# KiCad board fuyu.kicad_pcb (continued)
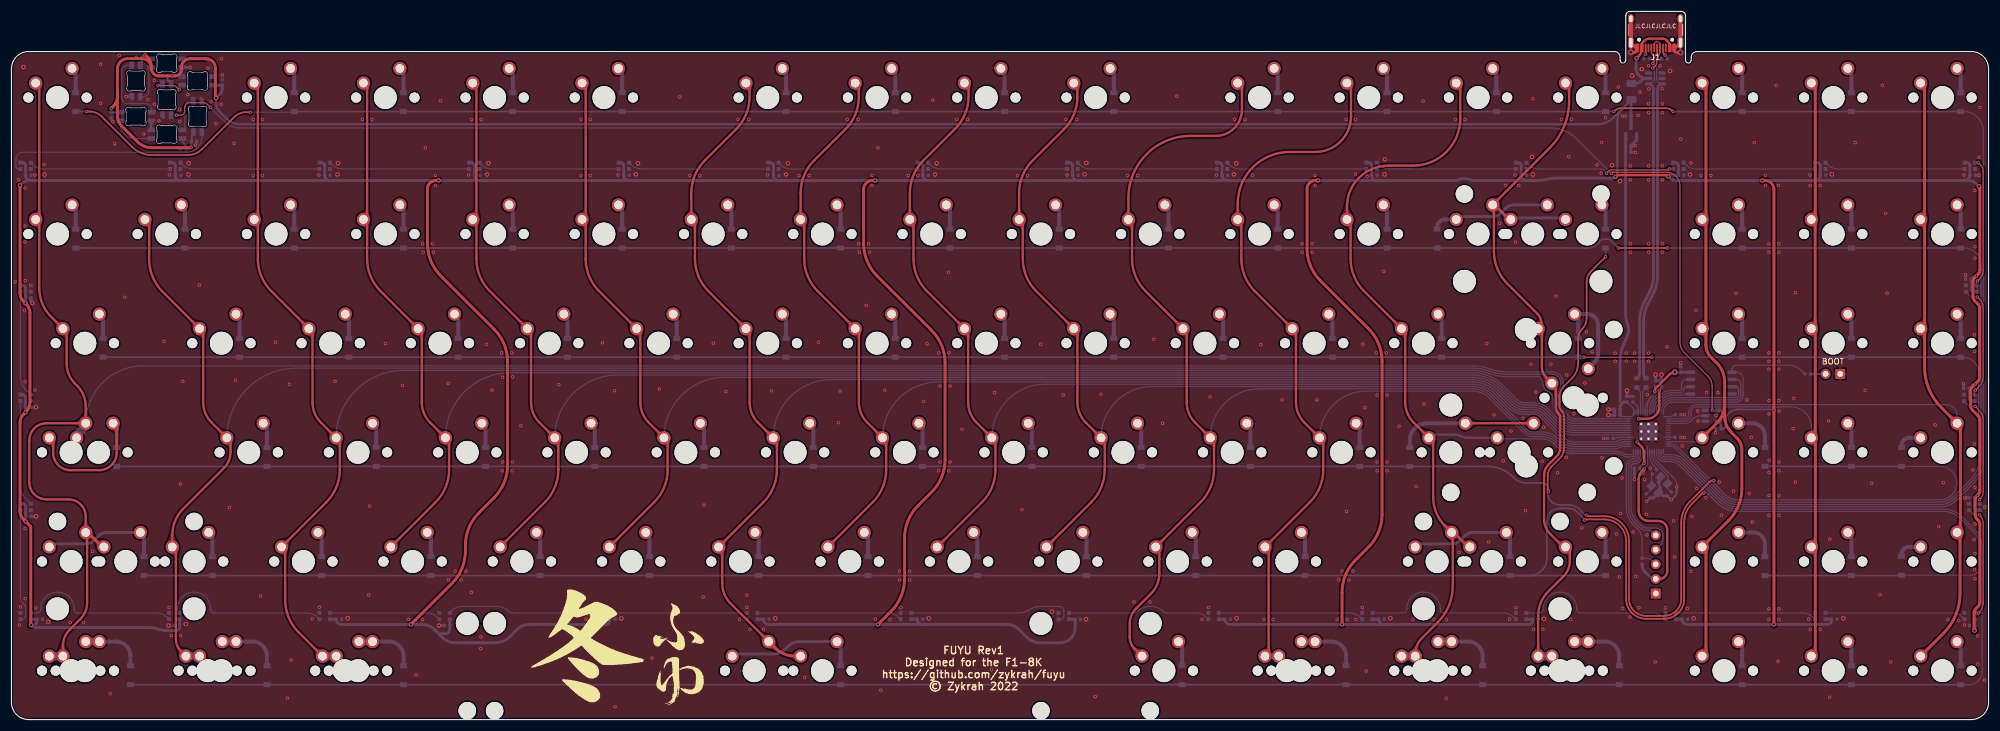
[diagram p0: board, top side]
## Routing (per net, layer and track width the routed paths; a pad name or vN(x,y) marks a point on that pad's centre or on a via; arc(x,y) is an arc through that point) (continued)
Net-(D56-Pad2): length 4.5
  Bottom w0.7: D56.2 101.69,51.07 SW59.2
Net-(D57-Pad2): length 4.5
  Bottom w0.7: SW60.2 120.74,51.07 D57.2
Net-(D58-Pad2): length 4.5
  Bottom w0.7: D58.2 139.79,51.07 SW61.2
Net-(D59-Pad2): length 4.5
  Bottom w0.7: SW62.2 158.84,51.07 D59.2
Net-(D60-Pad2): length 4.5
  Bottom w0.7: SW63.2 177.89,51.07 D60.2
Net-(D61-Pad2): length 4.5
  Bottom w0.7: SW64.2 196.94,51.07 D61.2
Net-(D62-Pad2): length 4.5
  Bottom w0.7: D62.2 215.99,51.07 SW65.2
Net-(D63-Pad2): length 4.5
  Bottom w0.7: D63.2 235.04,51.07 SW66.2
Net-(D64-Pad2): length 24.5
  Top w0.4: SW67.2 SW68.2
  Bottom w0.7: D64.2 243.77,48.7 arc(244.65,50.83) 246.77,51.7 SW67.2
Net-(D65-Pad2): length 7.9
  Bottom w0.7: D65.2 305.68,49.53 arc(305.04,51.07) 303.5,51.7 SW69.2
Net-(D66-Pad2): length 4.5
  Bottom w0.7: D66.2 320.76,51.07 SW70.2
Net-(D67-Pad2): length 4.4
  Bottom w0.7: D67.2 329.49,47.81 arc(329.89,48.77) 330.85,49.17 SW71.1
Net-(D68-Pad2): length 21.2
  Bottom w0.5: SW72.1 7.14,30.66 12.95,30.66 arc(13.72,30.81) 14.37,31.24 15.19,32.07 arc(15.84,32.5) 16.61,32.66 SW73.2
  Bottom w0.7: D68.2 23.11,32.02 SW73.2
Net-(D69-Pad2): length 4.5
  Bottom w0.7: D69.2 35.01,32.02 SW74.2
Net-(D70-Pad2): length 4.5
  Bottom w0.7: D70.2 54.06,32.02 SW75.2
Net-(D71-Pad2): length 4.5
  Bottom w0.7: SW76.2 73.11,32.02 D71.2
Net-(D72-Pad2): length 4.5
  Bottom w0.7: SW77.2 92.16,32.02 D72.2
Net-(D73-Pad2): length 4.5
  Bottom w0.7: D73.2 111.21,32.02 SW78.2
Net-(D74-Pad2): length 4.5
  Bottom w0.7: SW79.2 130.26,32.02 D74.2
Net-(D75-Pad2): length 4.5
  Bottom w0.7: SW80.2 149.31,32.02 D75.2
Net-(D76-Pad2): length 4.5
  Bottom w0.7: SW81.2 168.36,32.02 D76.2
Net-(D77-Pad2): length 4.5
  Bottom w0.7: SW82.2 187.41,32.02 D77.2
Net-(D78-Pad2): length 4.5
  Bottom w0.7: D78.2 206.46,32.02 SW83.2
Net-(D79-Pad2): length 4.5
  Bottom w0.7: SW84.2 225.51,32.02 D79.2
Net-(D80-Pad2): length 21.2
  Bottom w0.5: SW85.1 245.25,30.65 251.12,30.65 arc(251.89,30.8) 252.54,31.23 253.37,32.07 arc(254.02,32.5) 254.79,32.66 SW86.2
  Bottom w0.7: D80.2 261.23,32.02 SW86.2
Net-(D81-Pad2): length 4.5
  Bottom w0.7: D81.2 277.9,32.02 SW87.2
Net-(D82-Pad2): length 8
  Bottom w0.7: D82.2 305.68,30.64 arc(305.09,32.06) 303.67,32.66 SW88.2
Net-(D83-Pad2): length 4.5
  Bottom w0.7: SW89.2 320.76,32.02 D83.2
Net-(D84-Pad2): length 4.4
  Bottom w0.7: SW90.1 330.74,30.12 arc(329.86,29.75) 329.49,28.87 D84.2
Net-(D85-Pad2): length 10.9
  Bottom w0.7: D85.2 20.73,11.1 arc(19.99,12.87) 18.23,13.6 15.33,13.6
  Bottom w1.5: 15.33,13.6 12.95,13.6
Net-(D86-Pad2): length 10.9
  Bottom w0.7: 39.14,13.6 42.04,13.6 arc(43.81,12.87) 44.54,11.1 D86.2
  Bottom w1.5: 39.14,13.6 36.76,13.6
Net-(D87-Pad2): length 10.9
  Bottom w0.7: D87.2 68.35,11.1 arc(67.62,12.87) 65.85,13.6 62.95,13.6
  Bottom w1.5: 60.57,13.6 62.95,13.6
Net-(D88-Pad2): length 23.5
  Bottom w0.5: SW97.1 126.03,11.44 132.81,11.44 arc(133.96,11.67) 134.93,12.32 135.34,12.73 arc(136.31,13.38) 137.46,13.6 143.92,13.6
  Bottom w0.7: D88.2 144.55,12.97 143.92,13.6
Net-(D89-Pad2): length 4.5
  Bottom w0.7: D89.2 204.08,12.97 203.45,13.6
Net-(D90-Pad2): length 10.9
  Bottom w0.7: 227.26,13.6 230.16,13.6 arc(231.92,12.87) 232.66,11.1 D90.2
  Bottom w1: 224.88,13.6 227.26,13.6
Net-(D91-Pad2): length 10.9
  Bottom w0.7: 251.07,13.6 253.97,13.6 arc(255.74,12.87) 256.47,11.1 D91.2
  Bottom w1.5: 248.69,13.6 251.07,13.6
Net-(D92-Pad2): length 10.9
  Bottom w0.7: 274.88,13.6 277.78,13.6 arc(279.55,12.87) 280.28,11.1 D92.2
  Bottom w1.5: 272.5,13.6 274.88,13.6
Net-(D93-Pad2): length 4.5
  Bottom w0.7: 301.08,13.6 301.71,12.97 D93.2
Net-(D94-Pad2): length 4.5
  Bottom w0.7: D94.2 320.76,12.97 320.13,13.6
Net-(D95-Pad2): length 4.5
  Bottom w0.7: D95.2 339.81,12.97 339.18,13.6
Net-(D100-Pad1): length 24.6
  Bottom w0.2: D100.1 3.75,96.81 arc(4.56,96.27) 5.52,96.08 D101.3
Net-(D101-Pad1): length 24.6
  Bottom w0.2: D102.3 31.59,96.08 arc(30.63,96.27) 29.82,96.81 D101.1
Net-(D102-Pad1): length 24.6
  Bottom w0.2: D102.1 55.89,96.81 arc(56.71,96.27) 57.66,96.08 D103.3
Net-(D103-Pad1): length 24.6
  Bottom w0.2: D104.3 83.73,96.08 arc(82.78,96.27) 81.97,96.81 D103.1
Net-(D104-Pad1): length 24.6
  Bottom w0.2: D104.1 108.04,96.81 arc(108.85,96.27) 109.81,96.08 D105.3
Net-(D105-Pad1): length 24.6
  Bottom w0.2: D105.1 134.11,96.81 arc(134.92,96.27) 135.88,96.08 D106.3
Net-(D106-Pad1): length 24.6
  Bottom w0.2: D106.1 160.18,96.81 arc(160.99,96.27) 161.95,96.08 D107.3
Net-(D107-Pad1): length 24.6
  Bottom w0.2: D108.3 188.02,96.08 arc(187.06,96.27) 186.25,96.81 D107.1
Net-(D108-Pad1): length 24.6
  Bottom w0.2: D108.1 212.32,96.81 arc(213.14,96.27) 214.09,96.08 D109.3
Net-(D109-Pad1): length 24.6
  Bottom w0.2: D109.1 238.4,96.81 arc(239.21,96.27) 240.16,96.08 D110.3
Net-(D110-Pad1): length 26.6
  Top w0.2: v1(289.02,96.08) 288.86,95.92 278.89,95.92 arc(278.68,95.88) 278.51,95.76 v1(278.06,95.31)
  Bottom w0.2: v1(278.06,95.31) 278.06,95.49 277.77,95.78 arc(277.44,95.99) 277.06,96.07 266.25,96.07 arc(265.29,96.26) 264.48,96.8 D110.1 ; D111.3 289.02,96.08 v1(289.02,96.08)
Net-(D111-Pad1): length 23.2
  Bottom w0.2: D112.3 293.65,96.08 arc(292.69,96.27) 291.88,96.81 D111.1
Net-(D112-Pad1): length 24.6
  Bottom w0.2: D112.1 316.61,96.81 arc(317.42,96.27) 318.38,96.08 D113.3
Net-(D113-Pad1): length 22.7
  Top w0.2: v1(342.74,76.51) 343.07,76.84 arc(343.56,77.57) 343.73,78.42 343.73,95.65 arc(343.6,96.28) 343.25,96.81 v1(342.88,97.18)
  Bottom w0.2: D114.3 342.54,76.31 v1(342.74,76.51) ; D113.1 342.87,97.18 v1(342.88,97.18)
Net-(D114-Pad1): length 20.2
  Top w0.2: v1(342.35,57.45) 343.09,58.19 arc(343.56,58.9) 343.73,59.73 343.73,71.83 arc(343.56,72.64) 343.11,73.33 v1(342.73,73.71)
  Bottom w0.2: D115.3 342.2,57.31 v1(342.35,57.45) ; v1(342.73,73.71) 342.07,73.71 arc(341.69,73.78) 341.37,74 D114.1
Net-(D115-Pad1): length 20
  Top w0.2: v1(343.11,38.4) 343.25,38.54 arc(343.61,39.08) 343.74,39.71 343.74,52.3 arc(343.56,53.19) 343.05,53.95 v1(342.35,54.66)
  Bottom w0.2: D115.1 341.02,54.95 arc(341.35,54.73) 341.73,54.66 v1(342.35,54.66) ; v1(343.11,38.4) D116.3
Net-(D116-Pad1): length 20.3
  Top w0.2: v1(343.11,35.67) 343.18,35.59 arc(343.59,34.98) 343.74,34.25 343.74,20.39 arc(343.55,19.46) 343.03,18.68 v1(342.94,18.6)
  Bottom w0.2: D117.3 342.94,18.6 v1(342.94,18.6) ; D116.1 341.85,35.96 arc(342.18,35.74) 342.56,35.67 v1(343.11,35.67)
Net-(D117-Pad1): length 24.6
  Bottom w0.2: D117.1 340.12,17.87 arc(339.31,18.41) 338.35,18.6 D118.3
Net-(D118-Pad1): length 24.6
  Bottom w0.2: D119.3 312.28,18.6 arc(313.23,18.41) 314.05,17.87 D118.1
Net-(D119-Pad1): length 28.8
  Bottom w0.2: D120.3 266.34,18.6 arc(266.83,18.8) 267.04,19.3 267.04,19.34 arc(267.88,21.37) 269.92,22.22 270.03,22.22 arc(272.04,21.38) 272.88,19.37 272.88,19.25 arc(273.06,18.79) 273.52,18.6 286.21,18.6 arc(287.16,18.41) 287.97,17.87 D119.1
Net-(D120-Pad1): length 29.5
  Bottom w0.2: D121.3 242.56,18.6 arc(243.05,18.8) 243.25,19.28 243.25,19.32 arc(244.1,21.38) 246.17,22.24 arc(248.24,21.38) 249.1,19.31 249.1,19.21 arc(249.27,18.78) 249.7,18.6 260.13,18.6 arc(261.09,18.41) 261.9,17.87 D120.1
Net-(D121-Pad1): length 25.3
  Bottom w0.2: D122.3 233.32,18.6 arc(234.28,18.41) 235.09,17.87 D121.1
Net-(D122-Pad1): length 25.2
  Bottom w0.2: D123.3 195.62,18.6 arc(196.01,18.68) 196.33,18.89 arc(197.27,19.52) 198.37,19.74 198.68,19.74 arc(199.78,19.52) 200.72,18.89 arc(201.05,18.67) 201.43,18.6 206.51,18.6 arc(207.47,18.41) 208.28,17.87 D122.1
Net-(D123-Pad1): length 29.4
  Bottom w0.2: D124.3 175.59,18.6 arc(176.4,18.7) 177.16,19 177.68,19.29 arc(178.53,19.62) 179.44,19.74 182.68,19.74 arc(183.23,19.51) 183.45,18.96 183.45,18.03 arc(183.3,17.65) 182.93,17.5 D123.1
Net-(D124-Pad1): length 25.3
  Bottom w0.2: D124.1 154.65,17.87 arc(153.84,18.41) 152.88,18.6 D125.3
Net-(D125-Pad1): length 25.3
  Bottom w0.2: D126.3 126.07,18.6 arc(127.03,18.41) 127.84,17.87 D125.1
Net-(D126-Pad1): length 26
  Bottom w0.2: D126.1 101.02,17.88 arc(100.21,18.42) 99.25,18.61 87.36,18.61 arc(86.98,18.68) 86.65,18.9 arc(85.72,19.52) 84.63,19.74 78.41,19.74 arc(77.61,19.58) 76.94,19.13 D127.3
Net-(D127-Pad1): length 19.4
  Bottom w0.2: D128.3 72.44,18.6 arc(73.4,18.41) 74.21,17.87 D127.1
Net-(D128-Pad1): length 29.7
  Bottom w0.2: D129.3 29.24,18.65 arc(29.02,18.98) 28.95,19.36 arc(29.78,21.38) 31.8,22.22 31.87,22.22 arc(33.9,21.38) 34.73,19.36 34.73,19.15 arc(34.9,18.75) 35.3,18.58 51.58,18.58 arc(52.53,18.39) 53.34,17.85 D128.1
Net-(D129-Pad1): length 28.6
  Bottom w0.2: D130.3 4.44,18.6 arc(4.92,18.8) 5.12,19.28 5.12,19.31 arc(5.97,21.37) 8.03,22.23 arc(10.08,21.38) 10.94,19.33 10.94,19.25 arc(11.13,18.79) 11.59,18.6 25.32,18.6 arc(26.28,18.41) 27.09,17.87 D129.1
Net-(D130-Pad1): length 20
  Bottom w0.2: D130.1 1.89,17.5 arc(2.31,17.68) 2.48,18.1 2.48,19.42 arc(2.41,19.81) 2.19,20.13 1.85,20.48 arc(1.63,20.8) 1.55,21.18 D131.3
Net-(D131-Pad1): length 18.6
  Bottom w0.2: D131.1 2.43,38.6 arc(1.78,39.57) 1.55,40.72 D132.3
Net-(D132-Pad1): length 18.6
  Bottom w0.2: D133.3 1.55,59.63 arc(1.76,58.61) 2.33,57.75 D132.1
Net-(LED1-Pad2): length 5.8
  Top w0.2: v1(29.25,109.9) 28.8,110.34 arc(28.47,110.56) 28.09,110.64 v1(25.53,110.64)
  Bottom w0.2: v1(25.53,110.64) 25.63,110.74 arc(25.83,110.87) 26.06,110.91 LED1.2 ; v1(29.25,109.9) 29.25,109.96 arc(29.29,110.19) 29.42,110.39 LED2.3
Net-(LED2-Pad2): length 7.5
  Bottom w0.2: LED3.3 32.98,115.29 arc(34.53,114.65) 35.17,113.1 LED2.2
Net-(LED3-Pad2): length 6.3
  Bottom w0.2: LED4.3 22.96,108.71 arc(23.67,109.01) 23.96,109.71 23.96,113.4 LED3.2
Net-(LED4-Pad2): length 13.8
  Bottom w0.2: LED4.2 20.22,114.16 arc(19.52,113.87) 19.22,113.16 19.22,108.48 arc(19.52,107.77) 20.22,107.48 23.43,107.48 arc(24.14,107.18) 24.43,106.48 LED5.3
Net-(LED5-Pad2): length 7.4
  Bottom w0.2: LED5.2 18.98,103.92 arc(19.72,102.13) 21.51,101.39 LED6.3
Net-(LED6-Pad2): length 6.3
  Bottom w0.2: LED6.2 30.22,103.31 30.22,106.96 arc(30.52,107.67) 31.22,107.96 LED7.3

## Copper pours and planes (outline as drawn; the poured copper is in the pictures)
+1V1 on Bottom: 284.1,52.92 284.1,51.71 283.59,51.71 283.59,48.85 283.28,48.85 283.29,52.92
+3V3 on Top: 289.21,60.11 289.28,60.16 289.34,60.2 289.4,60.22 289.46,60.23 289.52,60.22 289.58,60.21 289.65,60.19 289.78,60.15 289.85,60.13 290.23,60.65 289.65,60.98 289.57,60.91 289.5,60.85 289.43,60.8 289.25,60.66 289.19,60.61 289.12,60.55 289.03,60.48 288.94,60.4
+3V3 on Top: 288.11,25.08 287.99,24.98 287.87,24.93 287.77,24.91 287.66,24.93 287.55,24.98 287.45,25.04 287.22,25.2 287.09,25.27 286.96,25.33 286.22,24.51 287.24,23.94 287.37,24.05 287.48,24.15 287.59,24.22 287.69,24.28 287.89,24.4 288,24.47 288.12,24.55 288.25,24.66 288.39,24.79
+3V3 on Bottom: 290.98,60.86 290.86,60.86 290.77,60.86 290.69,60.87 290.61,60.89 290.55,60.91 290.48,60.93 290.42,60.95 290.36,60.98 290.2,61.06 289.74,60.61 290.2,60.16 290.36,60.23 290.42,60.26 290.48,60.29 290.55,60.31 290.61,60.33 290.69,60.34 290.77,60.35 290.86,60.36 290.98,60.36
+3V3 on Bottom: 283.41,54.42 283.41,52.91 284.5,52.92 284.59,52.96 284.65,53.04 284.69,53.36 284.75,54.35 284.94,55.17 285.45,55.8 285.25,54.9 285.28,53.34 285.44,53.1 285.55,53.06 288.17,53.06 288.23,53.01 288.44,52.96 288.44,52.79 288.21,52.63 288.17,52.49 288.17,49.68 288.2,49.55 288.45,49.37 288.45,49.18 288.2,49.01 288.17,48.87 288.17,47.49 285.58,47.49 285.45,47.46 285.28,47.22 285.09,47.22 284.91,47.46 284.78,47.49 282.6,47.49 282.6,48.89 282.56,49.02 282.31,49.18 282.31,49.37 282.56,49.53 282.6,49.67 282.59,52.74 280.16,52.74 280.16,55.71 282.16,55.71
+3V3 on Bottom: 285.04,25.16 285.19,25 285.31,24.86 285.41,24.74 285.49,24.63 285.64,24.42 285.72,24.31 285.81,24.2 285.91,24.08 286.04,23.94 287.06,24.45 286.46,25.37 286.33,25.34 286.21,25.31 286.1,25.28 286,25.27 285.9,25.26 285.8,25.27 285.7,25.29 285.6,25.34 285.5,25.41 285.39,25.51
+5V on Bottom: 342.11,93.53 342.2,93.46 342.28,93.41 342.35,93.35 342.41,93.3 342.45,93.24 342.49,93.19 342.53,93.13 342.56,93.06 342.59,92.99 342.62,92.92 343.14,92.91 343.13,93.43 343.04,93.46 342.97,93.5 342.9,93.54 342.84,93.58 342.78,93.63 342.66,93.74 342.58,93.8 342.49,93.87 342.39,93.94
+5V on Bottom: 282.59,106.93 282.59,107.07 282.6,107.18 282.62,107.28 282.65,107.36 282.68,107.44 282.72,107.51 282.76,107.58 282.87,107.74 282.94,107.84 282.45,108.49 281.82,107.98 281.86,107.86 281.9,107.76 281.98,107.58 282.01,107.5 282.03,107.41 282.06,107.32 282.07,107.21 282.08,107.08 282.09,106.93
+5V on Bottom: 281.68,107.16 281.78,107.25 281.88,107.33 281.96,107.38 282.05,107.42 282.13,107.45 282.21,107.48 282.4,107.52 282.5,107.55 282.62,107.59 282.64,108.4 281.82,108.38 281.79,108.26 281.76,108.16 281.72,107.98 281.69,107.89 281.66,107.81 281.62,107.73 281.57,107.64 281.49,107.54 281.39,107.44
GND on Top: 346.16,-1 -1.5,-1 -1.5,118.06 281.07,118.06 281.07,123.62 292.19,123.62 292.19,118.06 346.16,118.06
GND on Bottom: 346.16,-1 -1.5,-1 -1.5,118.06 281.07,118.06 281.07,123.62 292.19,123.62 292.19,118.06 346.16,118.06
VBUS on Top: 283.82,116.28 283.76,116.18 283.7,116.1 283.65,116.04 283.59,115.99 283.53,115.94 283.47,115.91 283.41,115.88 283.34,115.85 283.17,115.8 283.16,115.28 283.68,115.29 283.72,115.38 283.76,115.46 283.8,115.54 283.84,115.6 283.88,115.66 283.98,115.8 284.04,115.88 284.1,115.97 284.16,116.08
VBUS on Bottom: 283.56,111.35 283.45,111.3 283.35,111.27 283.26,111.27 283.18,111.28 283.1,111.3 283.03,111.34 282.95,111.39 282.87,111.44 282.78,111.49 282.69,111.54 282.1,110.98 282.7,110.42 282.83,110.49 282.94,110.53 283.03,110.58 283.13,110.61 283.31,110.68 283.41,110.72 283.52,110.77 283.65,110.83 283.79,110.9
/XTAL_O on Bottom: 285.82,41.97 285.81,41.83 285.79,41.72 285.76,41.62 285.72,41.54 285.67,41.47 285.62,41.4 285.56,41.33 285.5,41.25 285.44,41.16 285.38,41.05 285.92,40.48 286.46,41.05 286.4,41.16 286.33,41.25 286.27,41.33 286.22,41.4 286.16,41.47 286.11,41.54 286.07,41.62 286.04,41.72 286.02,41.83 286.02,41.97
/XTAL_O on Bottom: 285.48,39.69 285.59,39.79 285.68,39.88 285.77,39.94 285.85,40 286,40.09 286.08,40.14 286.16,40.2 286.24,40.27 286.34,40.36 285.96,41.08 285.34,40.6 285.38,40.51 285.44,40.34 285.46,40.27 285.48,40.2 285.49,40.13 285.48,40.06 285.45,39.99 285.41,39.91 285.34,39.83
/~{USB_BOOT} on Bottom: 314.57,60.11 314.77,60.1 314.93,60.08 315.07,60.04 315.19,59.99 315.29,59.93 315.39,59.86 315.5,59.79 315.61,59.71 315.74,59.63 315.89,59.55 316.69,60.31 315.89,61.08 315.74,61 315.61,60.91 315.5,60.84 315.39,60.76 315.29,60.69 315.19,60.63 315.07,60.58 314.93,60.55 314.77,60.52 314.57,60.51
COL0 on Top: 14.18,31.4 14.37,31.19 14.52,31 14.62,30.82 14.7,30.66 14.76,30.49 14.86,30.15 14.92,29.97 15.01,29.77 15.12,29.54 16.6,29.79 16.29,31.25 16.07,31.28 15.87,31.29 15.69,31.29 15.52,31.29 15.36,31.31 15.2,31.33 15.05,31.38 14.89,31.47 14.72,31.59 14.53,31.76
COL0 on Top: 12.75,54 12.73,53.73 12.7,53.5 12.64,53.32 12.56,53.16 12.47,53.02 12.37,52.89 12.26,52.75 12.14,52.6 12.03,52.42 11.91,52.21 12.95,51.13 13.98,52.21 13.87,52.42 13.75,52.6 13.63,52.75 13.52,52.89 13.42,53.02 13.33,53.16 13.26,53.32 13.2,53.5 13.16,53.73 13.15,54
COL0 on Top: 8.95,14.04 8.84,13.69 8.75,13.4 8.66,13.14 8.58,12.92 8.5,12.72 8.41,12.53 8.31,12.33 8.21,12.11 8.08,11.86 7.94,11.57 8.98,10.49 10.01,11.57 9.87,11.84 9.73,12.07 9.59,12.28 9.47,12.48 9.37,12.67 9.29,12.87 9.24,13.08 9.22,13.33 9.26,13.6 9.33,13.93
COL0 on Top: 12.75,34.94 12.73,34.68 12.7,34.45 12.64,34.27 12.56,34.11 12.47,33.97 12.37,33.84 12.26,33.7 12.14,33.55 12.03,33.37 11.91,33.16 12.95,32.08 13.98,33.16 13.87,33.37 13.75,33.55 13.63,33.7 13.52,33.84 13.42,33.97 13.33,34.11 13.26,34.27 13.2,34.45 13.16,34.68 13.15,34.94
COL0 on Top: 5.05,85.15 5.06,85.44 5.08,85.69 5.12,85.9 5.16,86.09 5.21,86.26 5.25,86.42 5.3,86.6 5.33,86.79 5.36,87.01 5.37,87.27 3.9,87.75 3.63,86.28 3.79,86.18 3.95,86.1 4.1,86.03 4.23,85.95 4.35,85.87 4.46,85.78 4.54,85.66 4.6,85.53 4.64,85.36 4.65,85.15
COL0 on Top: 4.65,89.38 4.64,89.17 4.6,89 4.54,88.87 4.46,88.75 4.35,88.66 4.23,88.58 4.1,88.5 3.95,88.43 3.79,88.35 3.63,88.25 3.9,86.78 5.37,87.27 5.36,87.52 5.33,87.74 5.3,87.93 5.25,88.11 5.21,88.27 5.16,88.44 5.12,88.63 5.08,88.84 5.06,89.09 5.05,89.38
COL0 on Top: 10.66,51.51 10.93,51.49 11.15,51.45 11.33,51.4 11.49,51.32 11.63,51.23 11.76,51.13 11.9,51.02 12.05,50.9 12.23,50.79 12.44,50.67 13.52,51.7 12.44,52.74 12.23,52.62 12.05,52.51 11.9,52.39 11.76,52.28 11.63,52.18 11.49,52.09 11.33,52.01 11.15,51.96 10.93,51.92 10.66,51.91
COL0 on Top: 5.05,108.96 5.06,109.26 5.08,109.5 5.12,109.71 5.16,109.9 5.21,110.07 5.25,110.23 5.3,110.41 5.33,110.6 5.36,110.82 5.37,111.08 3.9,111.56 3.63,110.09 3.79,110 3.95,109.91 4.1,109.84 4.23,109.76 4.35,109.68 4.46,109.59 4.54,109.48 4.6,109.34 4.64,109.17 4.65,108.96
COL0 on Top: 13.39,30.38 13.4,30.66 13.43,30.9 13.49,31.1 13.56,31.28 13.64,31.44 13.73,31.59 13.82,31.75 13.91,31.93 13.99,32.13 14.06,32.38 12.83,33.22 12.04,31.95 12.18,31.78 12.33,31.63 12.58,31.39 12.7,31.27 12.79,31.14 12.87,31 12.93,30.83 12.97,30.63 12.98,30.38
COL0 on Top: 9.81,66.1 9.82,66.39 9.85,66.64 9.88,66.85 9.92,67.04 9.97,67.21 10.02,67.37 10.06,67.55 10.09,67.74 10.12,67.96 10.13,68.22 8.66,68.7 8.39,67.23 8.56,67.13 8.72,67.05 8.86,66.98 9,66.9 9.12,66.82 9.22,66.73 9.3,66.61 9.36,66.48 9.4,66.31 9.41,66.1
COL0 on Top: 14.9,31.39 14.7,31.6 14.56,31.79 14.45,31.97 14.37,32.14 14.31,32.3 14.21,32.64 14.14,32.82 14.05,33.02 13.93,33.25 12.46,32.97 12.8,31.51 13.02,31.49 13.22,31.49 13.4,31.49 13.57,31.49 13.73,31.48 13.88,31.45 14.03,31.4 14.19,31.32 14.36,31.2 14.55,31.04
COL0 on Top: 7.22,69.69 7.4,69.49 7.53,69.31 7.62,69.14 7.67,68.97 7.71,68.81 7.73,68.64 7.75,68.47 7.78,68.28 7.82,68.07 7.89,67.84 9.38,67.81 9.35,69.3 9.12,69.37 8.91,69.41 8.72,69.44 8.55,69.46 8.38,69.48 8.22,69.52 8.05,69.58 7.88,69.66 7.7,69.79 7.5,69.98
COL0 on Bottom: 8.89,11.81 8.63,11.82 8.41,11.82 8.21,11.82 8.03,11.83 7.87,11.85 7.72,11.88 7.57,11.91 7.42,11.96 7.26,12.02 7.1,12.1 6.02,11.06 7.1,10.03 7.26,10.11 7.42,10.17 7.57,10.22 7.72,10.25 7.87,10.28 8.03,10.3 8.21,10.31 8.41,10.31 8.63,10.31 8.89,10.31
COL0 on Bottom: 12.12,49.34 12.32,49.55 12.5,49.73 12.79,50.04 12.92,50.17 13.05,50.29 13.17,50.41 13.31,50.53 13.45,50.65 13.62,50.77 13.22,52.21 11.8,51.75 11.79,51.6 11.76,51.45 11.73,51.32 11.68,51.2 11.62,51.08 11.55,50.96 11.45,50.83 11.34,50.7 11.21,50.56 11.06,50.4
COL0 on Bottom: 12.19,51.53 11.98,51.32 11.8,51.14 11.51,50.83 11.38,50.7 11.26,50.58 11.13,50.46 11,50.34 10.85,50.22 10.68,50.09 11.09,48.66 12.51,49.12 12.52,49.28 12.54,49.42 12.57,49.55 12.62,49.68 12.68,49.8 12.76,49.92 12.85,50.04 12.96,50.17 13.09,50.32 13.25,50.47
COL0 on Bottom: 13.11,54.01 13.03,53.73 12.94,53.51 12.84,53.33 12.73,53.19 12.61,53.06 12.48,52.94 12.35,52.81 12.22,52.66 12.08,52.48 11.94,52.26 12.91,51.13 14.01,52.15 13.9,52.37 13.79,52.55 13.67,52.71 13.55,52.86 13.45,53 13.36,53.14 13.3,53.3 13.26,53.49 13.26,53.7 13.31,53.96
COL0 on Bottom: 6.69,10.31 6.94,10.31 7.17,10.31 7.36,10.31 7.54,10.3 7.7,10.28 7.86,10.25 8,10.22 8.15,10.17 8.31,10.11 8.48,10.03 9.55,11.06 8.48,12.1 8.31,12.02 8.15,11.96 8,11.91 7.86,11.88 7.7,11.85 7.54,11.83 7.36,11.82 7.17,11.82 6.94,11.82 6.69,11.81
COL1 on Top: 33.62,66.1 33.63,66.39 33.66,66.64 33.69,66.85 33.74,67.04 33.78,67.21 33.83,67.37 33.87,67.55 33.91,67.74 33.93,67.96 33.94,68.22 32.47,68.7 32.2,67.23 32.37,67.13 32.53,67.05 32.68,66.98 32.81,66.9 32.93,66.82 33.03,66.73 33.11,66.61 33.17,66.48 33.21,66.31 33.23,66.1
COL1 on Top: 27.93,33.33 27.86,32.94 27.79,32.61 27.72,32.33 27.65,32.09 27.57,31.87 27.49,31.65 27.39,31.44 27.28,31.2 27.15,30.93 26.99,30.62 28.03,29.54 29.06,30.62 28.91,30.92 28.76,31.18 28.63,31.41 28.51,31.63 28.41,31.84 28.33,32.06 28.28,32.3 28.26,32.57 28.27,32.88 28.32,33.26
COL1 on Top: 28.72,12.8 28.83,12.52 28.92,12.28 28.98,12.07 29.03,11.88 29.06,11.71 29.1,11.53 29.13,11.36 29.18,11.16 29.24,10.94 29.32,10.69 30.82,10.66 30.79,12.15 30.56,12.22 30.34,12.26 30.14,12.28 29.96,12.3 29.78,12.33 29.62,12.38 29.47,12.45 29.33,12.57 29.2,12.73 29.09,12.96
COL1 on Top: 35.79,50.64 35.97,50.44 36.1,50.26 36.19,50.09 36.25,49.92 36.28,49.76 36.31,49.59 36.33,49.42 36.35,49.23 36.4,49.02 36.47,48.79 37.96,48.76 37.93,50.25 37.7,50.32 37.49,50.36 37.3,50.39 37.12,50.41 36.96,50.43 36.79,50.47 36.63,50.53 36.46,50.61 36.27,50.74 36.07,50.93
COL1 on Top: 38.39,47.05 38.4,47.34 38.42,47.59 38.46,47.8 38.5,47.99 38.55,48.16 38.59,48.32 38.63,48.5 38.67,48.69 38.69,48.91 38.7,49.17 37.24,49.65 36.96,48.18 37.13,48.08 37.29,48 37.44,47.93 37.57,47.85 37.69,47.77 37.79,47.68 37.87,47.56 37.94,47.43 37.97,47.26 37.99,47.05
COL1 on Top: 31.03,69.69 31.21,69.49 31.34,69.31 31.43,69.14 31.49,68.97 31.52,68.81 31.54,68.64 31.56,68.47 31.59,68.28 31.63,68.07 31.7,67.84 33.2,67.81 33.17,69.3 32.94,69.37 32.73,69.41 32.54,69.44 32.36,69.46 32.19,69.48 32.03,69.52 31.87,69.58 31.69,69.66 31.51,69.79 31.31,69.98
COL1 on Top: 24.21,85.23 24.21,85.51 24.23,85.74 24.25,85.95 24.28,86.13 24.31,86.29 24.34,86.45 24.37,86.62 24.39,86.81 24.41,87.02 24.42,87.27 22.9,87.71 22.79,86.22 22.96,86.15 23.11,86.08 23.26,86.02 23.39,85.96 23.51,85.89 23.61,85.81 23.69,85.7 23.75,85.58 23.79,85.42 23.8,85.23
COL1 on Top: 28.86,28 28.87,28.29 28.9,28.54 28.93,28.75 28.97,28.94 29.02,29.11 29.07,29.27 29.11,29.45 29.14,29.64 29.17,29.86 29.18,30.12 27.71,30.6 27.44,29.13 27.61,29.03 27.77,28.95 27.91,28.88 28.05,28.8 28.17,28.72 28.27,28.63 28.35,28.51 28.41,28.38 28.45,28.21 28.46,28
COL1 on Bottom: 32.7,11.81 32.44,11.82 32.22,11.82 32.02,11.82 31.85,11.83 31.68,11.85 31.53,11.88 31.38,11.91 31.23,11.96 31.08,12.02 30.91,12.1 29.83,11.06 30.91,10.03 31.08,10.11 31.23,10.17 31.38,10.22 31.53,10.25 31.68,10.28 31.85,10.3 32.02,10.31 32.22,10.31 32.44,10.31 32.7,10.31
COL1 on Bottom: 37.67,51.47 37.6,51.19 37.52,50.97 37.42,50.79 37.32,50.64 37.2,50.51 36.94,50.26 36.81,50.11 36.68,49.93 36.54,49.71 37.53,48.59 38.61,49.62 38.5,49.84 38.38,50.02 38.26,50.18 38.15,50.33 38.04,50.46 37.95,50.61 37.88,50.77 37.84,50.95 37.83,51.17 37.87,51.43
COL1 on Bottom: 30.5,10.31 30.75,10.31 30.98,10.31 31.18,10.31 31.35,10.3 31.52,10.28 31.67,10.25 31.82,10.22 31.97,10.17 32.12,10.11 32.29,10.03 33.37,11.06 32.29,12.1 32.12,12.02 31.97,11.96 31.82,11.91 31.67,11.88 31.52,11.85 31.35,11.83 31.18,11.82 30.98,11.82 30.75,11.82 30.5,11.81
COL2 on Top: 57.44,47.05 57.45,47.34 57.47,47.59 57.51,47.8 57.55,47.99 57.59,48.16 57.64,48.32 57.68,48.5 57.72,48.69 57.74,48.91 57.75,49.17 56.29,49.65 56.01,48.18 56.18,48.08 56.34,48 56.49,47.93 56.62,47.85 56.74,47.77 56.84,47.68 56.92,47.56 56.99,47.43 57.02,47.26 57.04,47.05
COL2 on Top: 52.67,66.1 52.68,66.39 52.71,66.64 52.74,66.85 52.79,67.04 52.83,67.21 52.88,67.37 52.92,67.55 52.96,67.74 52.98,67.96 52.99,68.22 51.52,68.7 51.25,67.23 51.42,67.13 51.58,67.05 51.73,66.98 51.86,66.9 51.98,66.82 52.08,66.73 52.16,66.61 52.22,66.48 52.26,66.31 52.28,66.1
COL2 on Top: 48.56,31.88 48.36,31.69 48.17,31.56 48,31.48 47.84,31.42 47.67,31.38 47.51,31.36 47.33,31.34 47.14,31.31 46.93,31.27 46.7,31.2 46.67,29.71 48.16,29.74 48.23,29.97 48.28,30.18 48.3,30.37 48.32,30.54 48.35,30.71 48.38,30.87 48.44,31.04 48.53,31.21 48.66,31.39 48.84,31.59
COL2 on Top: 47.91,28 47.92,28.29 47.95,28.54 47.98,28.75 48.02,28.94 48.07,29.11 48.12,29.27 48.16,29.45 48.19,29.64 48.22,29.86 48.23,30.12 46.76,30.6 46.49,29.13 46.66,29.03 46.82,28.95 46.96,28.88 47.1,28.8 47.22,28.72 47.32,28.63 47.4,28.51 47.46,28.38 47.5,28.21 47.51,28
COL2 on Top: 42.75,89.38 42.74,89.17 42.7,89 42.64,88.87 42.56,88.75 42.45,88.66 42.33,88.58 42.2,88.5 42.05,88.43 41.89,88.35 41.73,88.25 42,86.78 43.47,87.27 43.46,87.52 43.43,87.74 43.4,87.93 43.35,88.11 43.31,88.27 43.26,88.44 43.22,88.63 43.18,88.84 43.16,89.09 43.15,89.38
COL2 on Top: 50.08,69.69 50.26,69.49 50.39,69.31 50.48,69.14 50.54,68.97 50.57,68.81 50.59,68.64 50.61,68.47 50.64,68.28 50.68,68.07 50.75,67.84 52.25,67.81 52.22,69.3 51.99,69.37 51.78,69.41 51.59,69.44 51.41,69.46 51.24,69.48 51.08,69.52 50.92,69.58 50.74,69.66 50.56,69.79 50.36,69.98
COL2 on Top: 52.46,12.54 52.64,12.34 52.77,12.16 52.86,11.99 52.92,11.82 52.95,11.66 52.98,11.49 53,11.32 53.02,11.13 53.07,10.92 53.13,10.69 54.63,10.66 54.6,12.15 54.37,12.22 54.16,12.26 53.97,12.29 53.79,12.31 53.63,12.33 53.46,12.37 53.3,12.43 53.13,12.51 52.94,12.64 52.74,12.83
COL2 on Top: 54.84,50.64 55.02,50.44 55.15,50.26 55.24,50.09 55.3,49.92 55.33,49.76 55.36,49.59 55.38,49.42 55.4,49.23 55.45,49.02 55.52,48.79 57.01,48.76 56.98,50.25 56.75,50.32 56.54,50.36 56.35,50.39 56.17,50.41 56.01,50.43 55.84,50.47 55.68,50.53 55.51,50.61 55.32,50.74 55.12,50.93
COL2 on Top: 43.15,108.96 43.16,109.26 43.18,109.5 43.22,109.71 43.26,109.9 43.31,110.07 43.35,110.23 43.4,110.41 43.43,110.6 43.46,110.82 43.47,111.08 42,111.56 41.73,110.09 41.89,110 42.05,109.91 42.2,109.84 42.33,109.76 42.45,109.68 42.56,109.59 42.64,109.48 42.7,109.34 42.74,109.17 42.75,108.96
COL2 on Top: 43.15,85.15 43.16,85.44 43.18,85.69 43.22,85.9 43.26,86.09 43.31,86.26 43.35,86.42 43.4,86.6 43.43,86.79 43.46,87.01 43.47,87.27 42,87.75 41.73,86.28 41.89,86.18 42.05,86.1 42.2,86.03 42.33,85.95 42.45,85.87 42.56,85.78 42.64,85.66 42.7,85.53 42.74,85.36 42.75,85.15
